# Altium PCB RobotCtrl_Func.PcbDoc
Units mil, origin at the board's own origin, x right, y up, seen from the top; angles counter-clockwise.
Board outline 3937.01 x 3937.01 mil, 4 copper layers (Top Layer, GND, PWR, Bottom Layer), stack 23.756 mil thick; 104 components, 160 nets, 463 pads, 157 vias.
Unrouted connection lines stored in the file: 6.
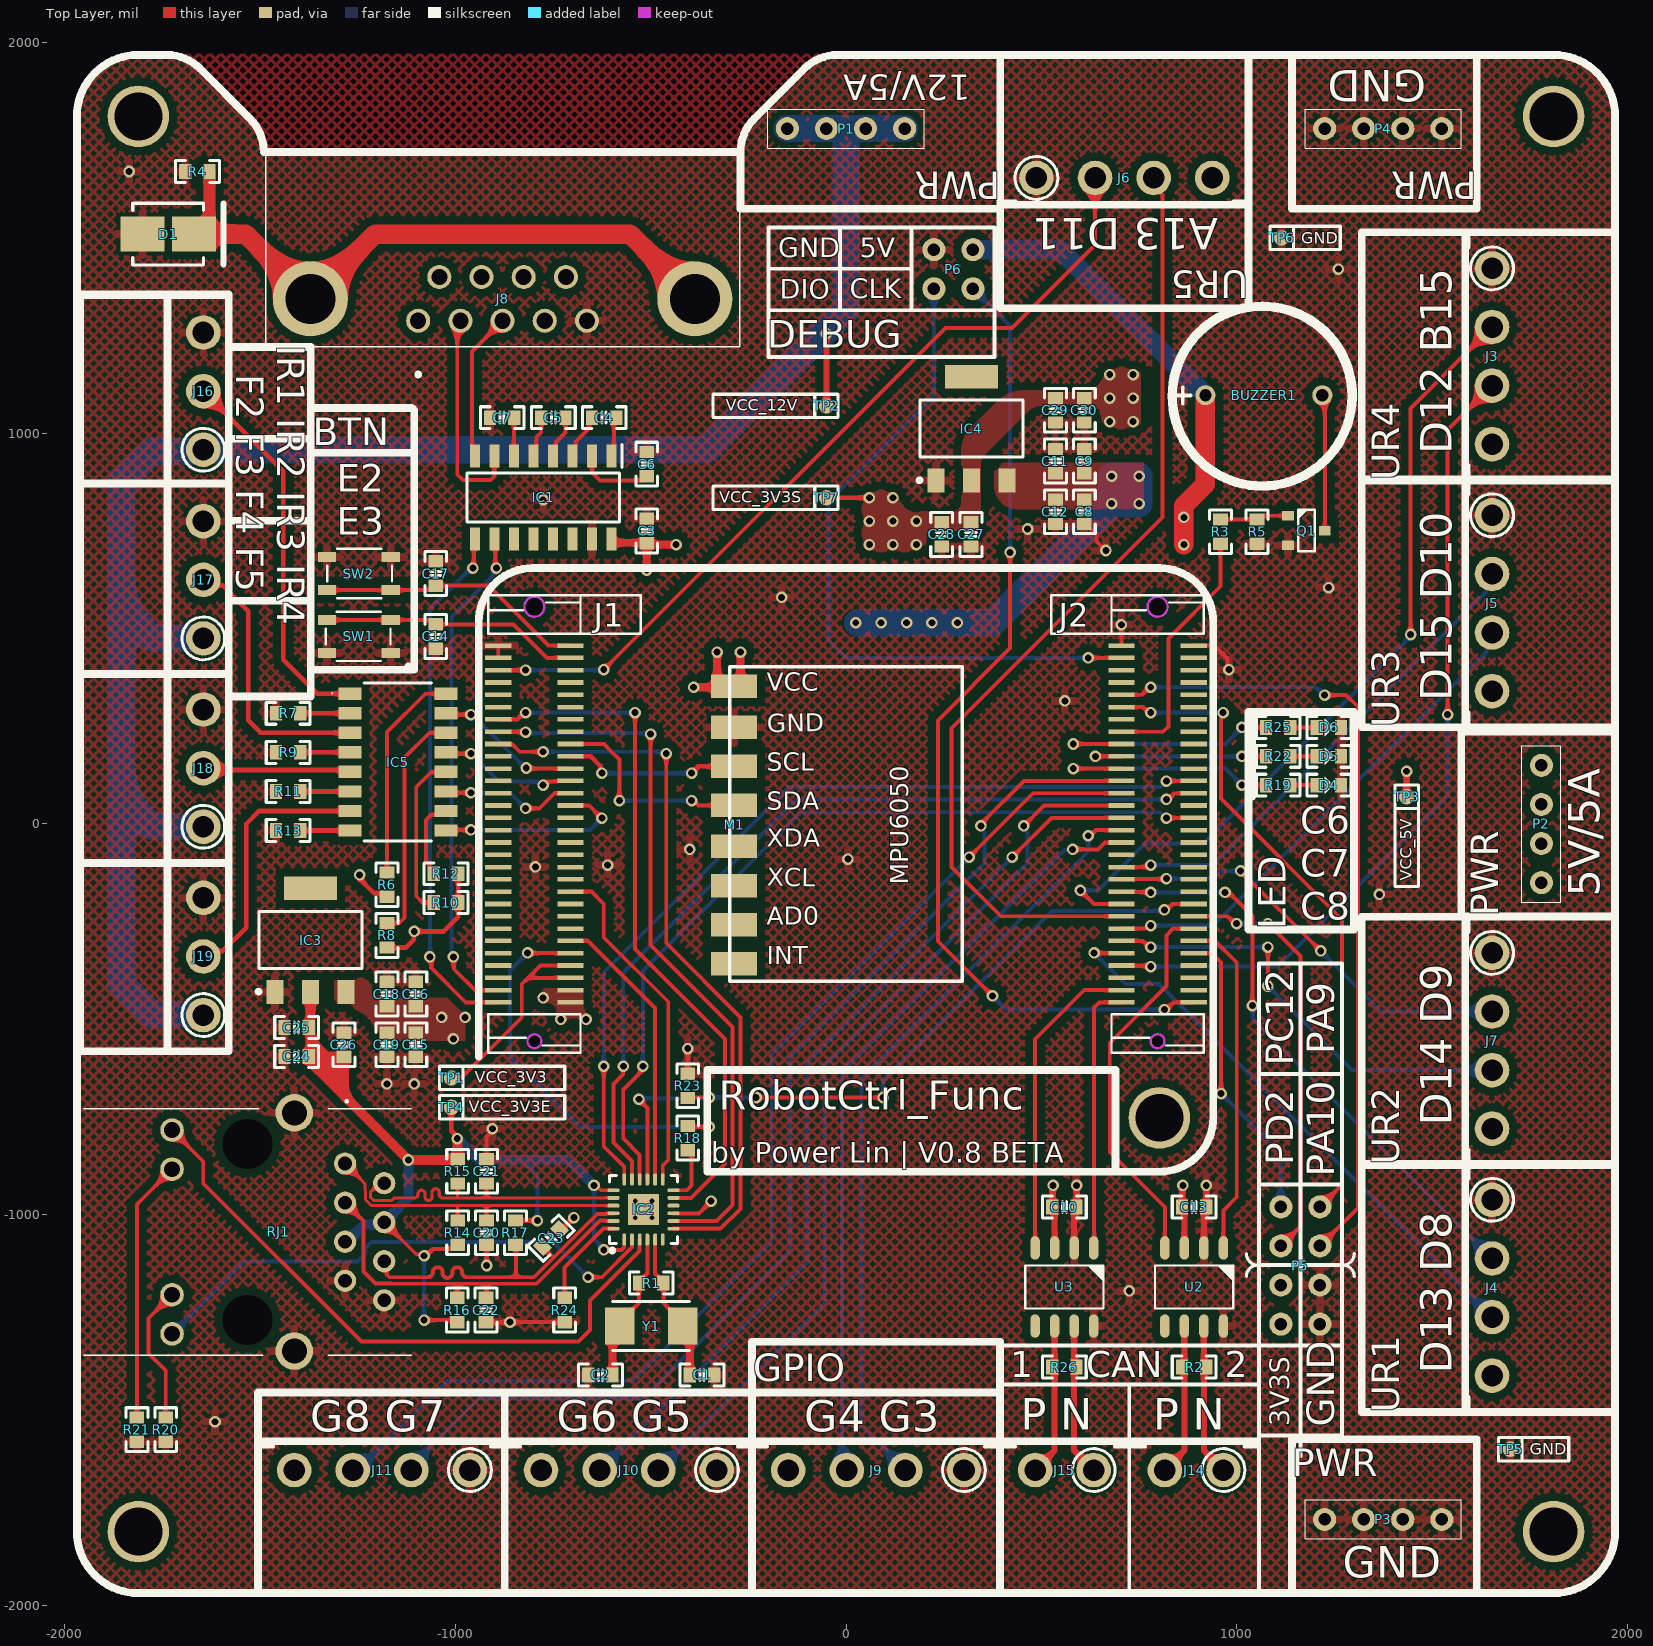
[diagram p0: Top Layer view]
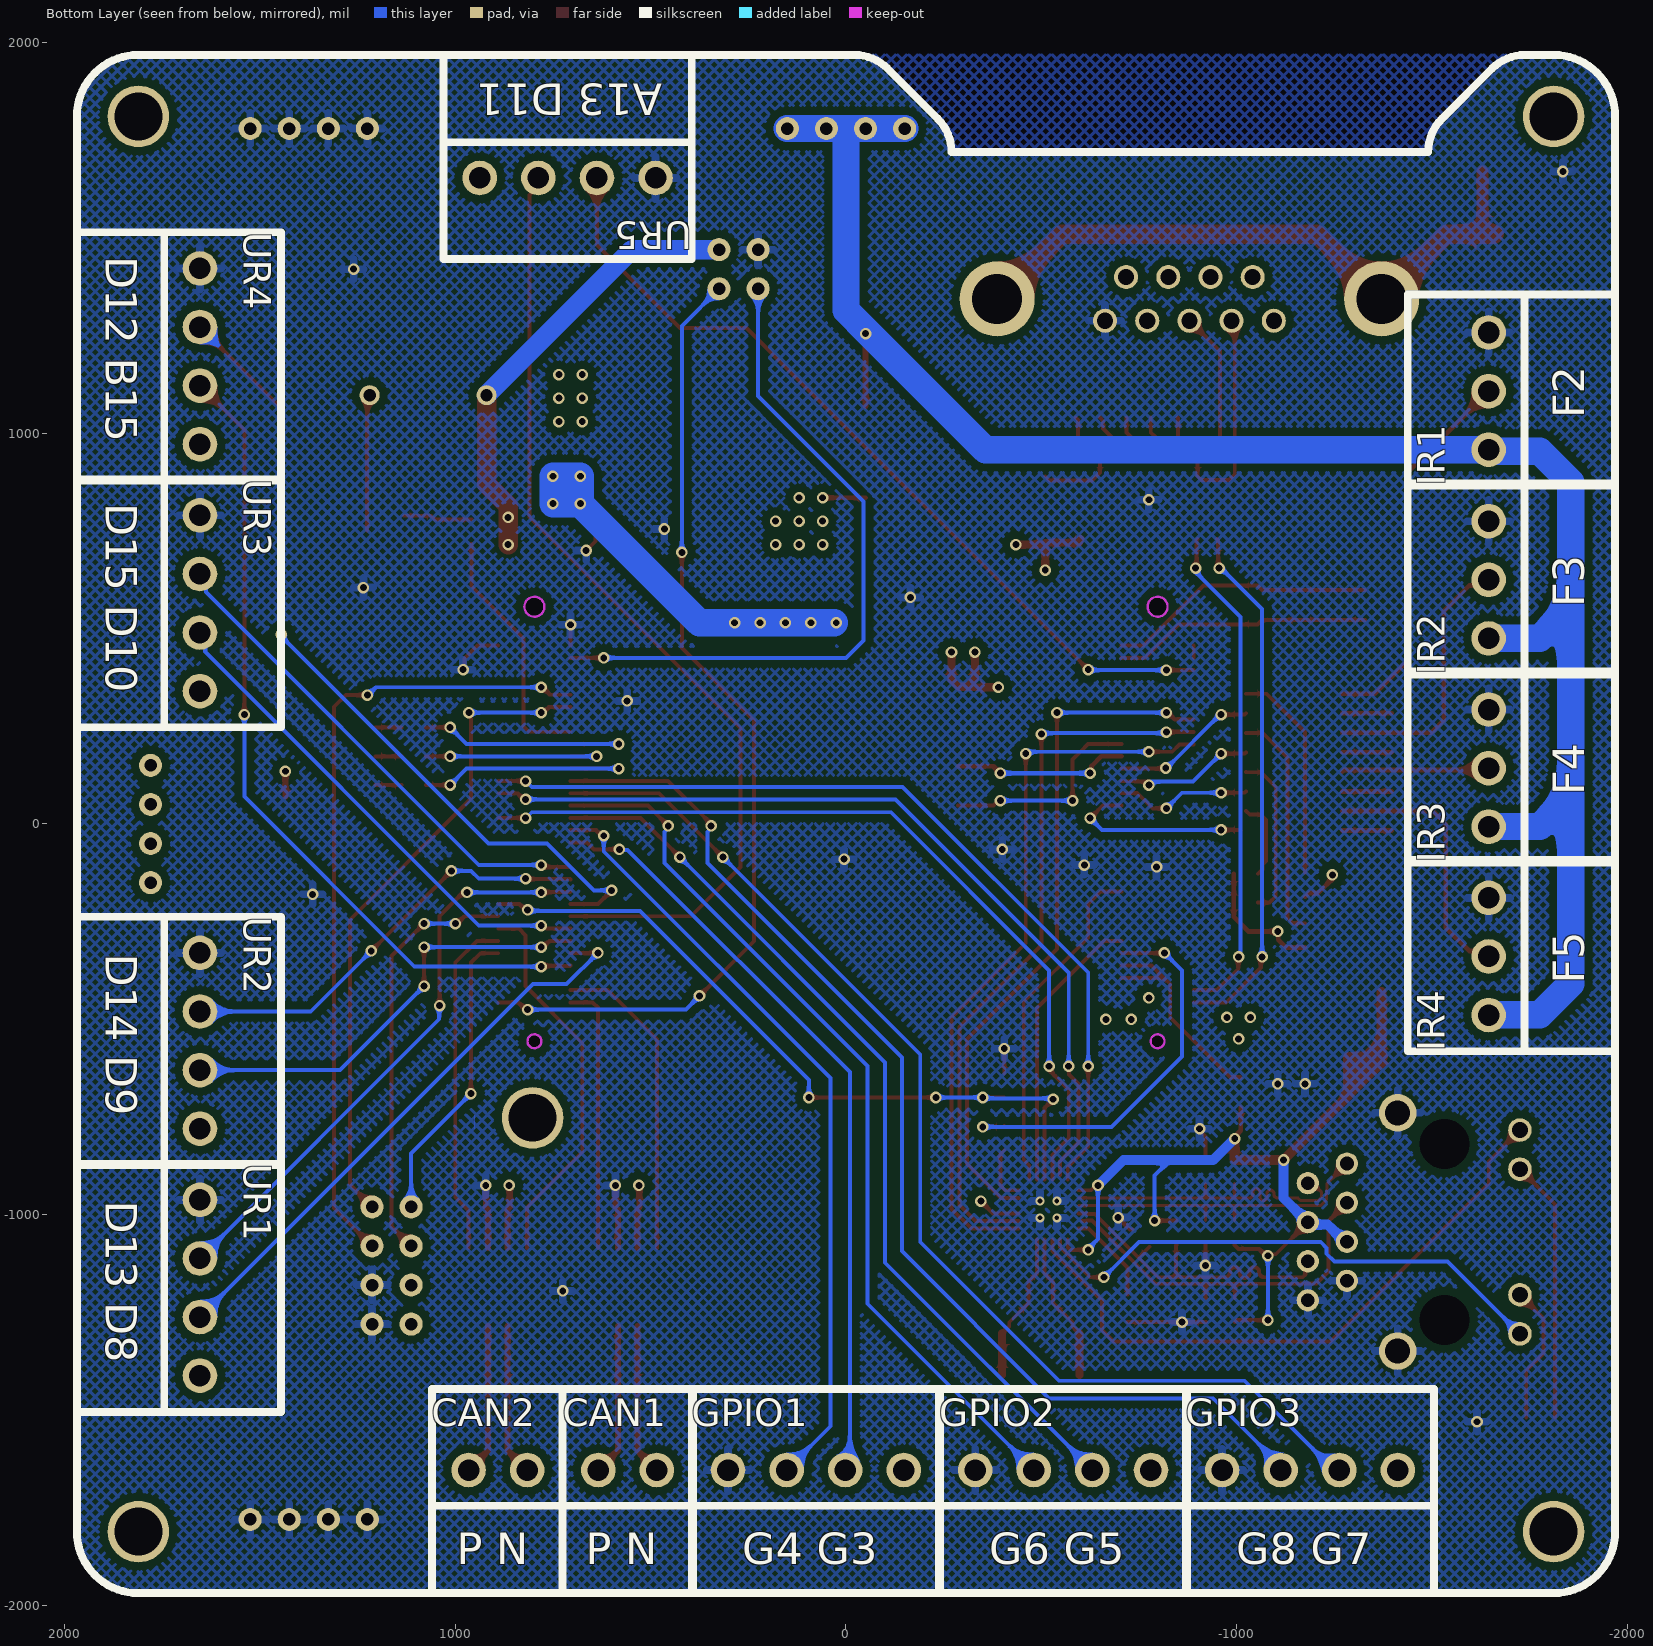
[diagram p1: Bottom Layer view, seen from below]
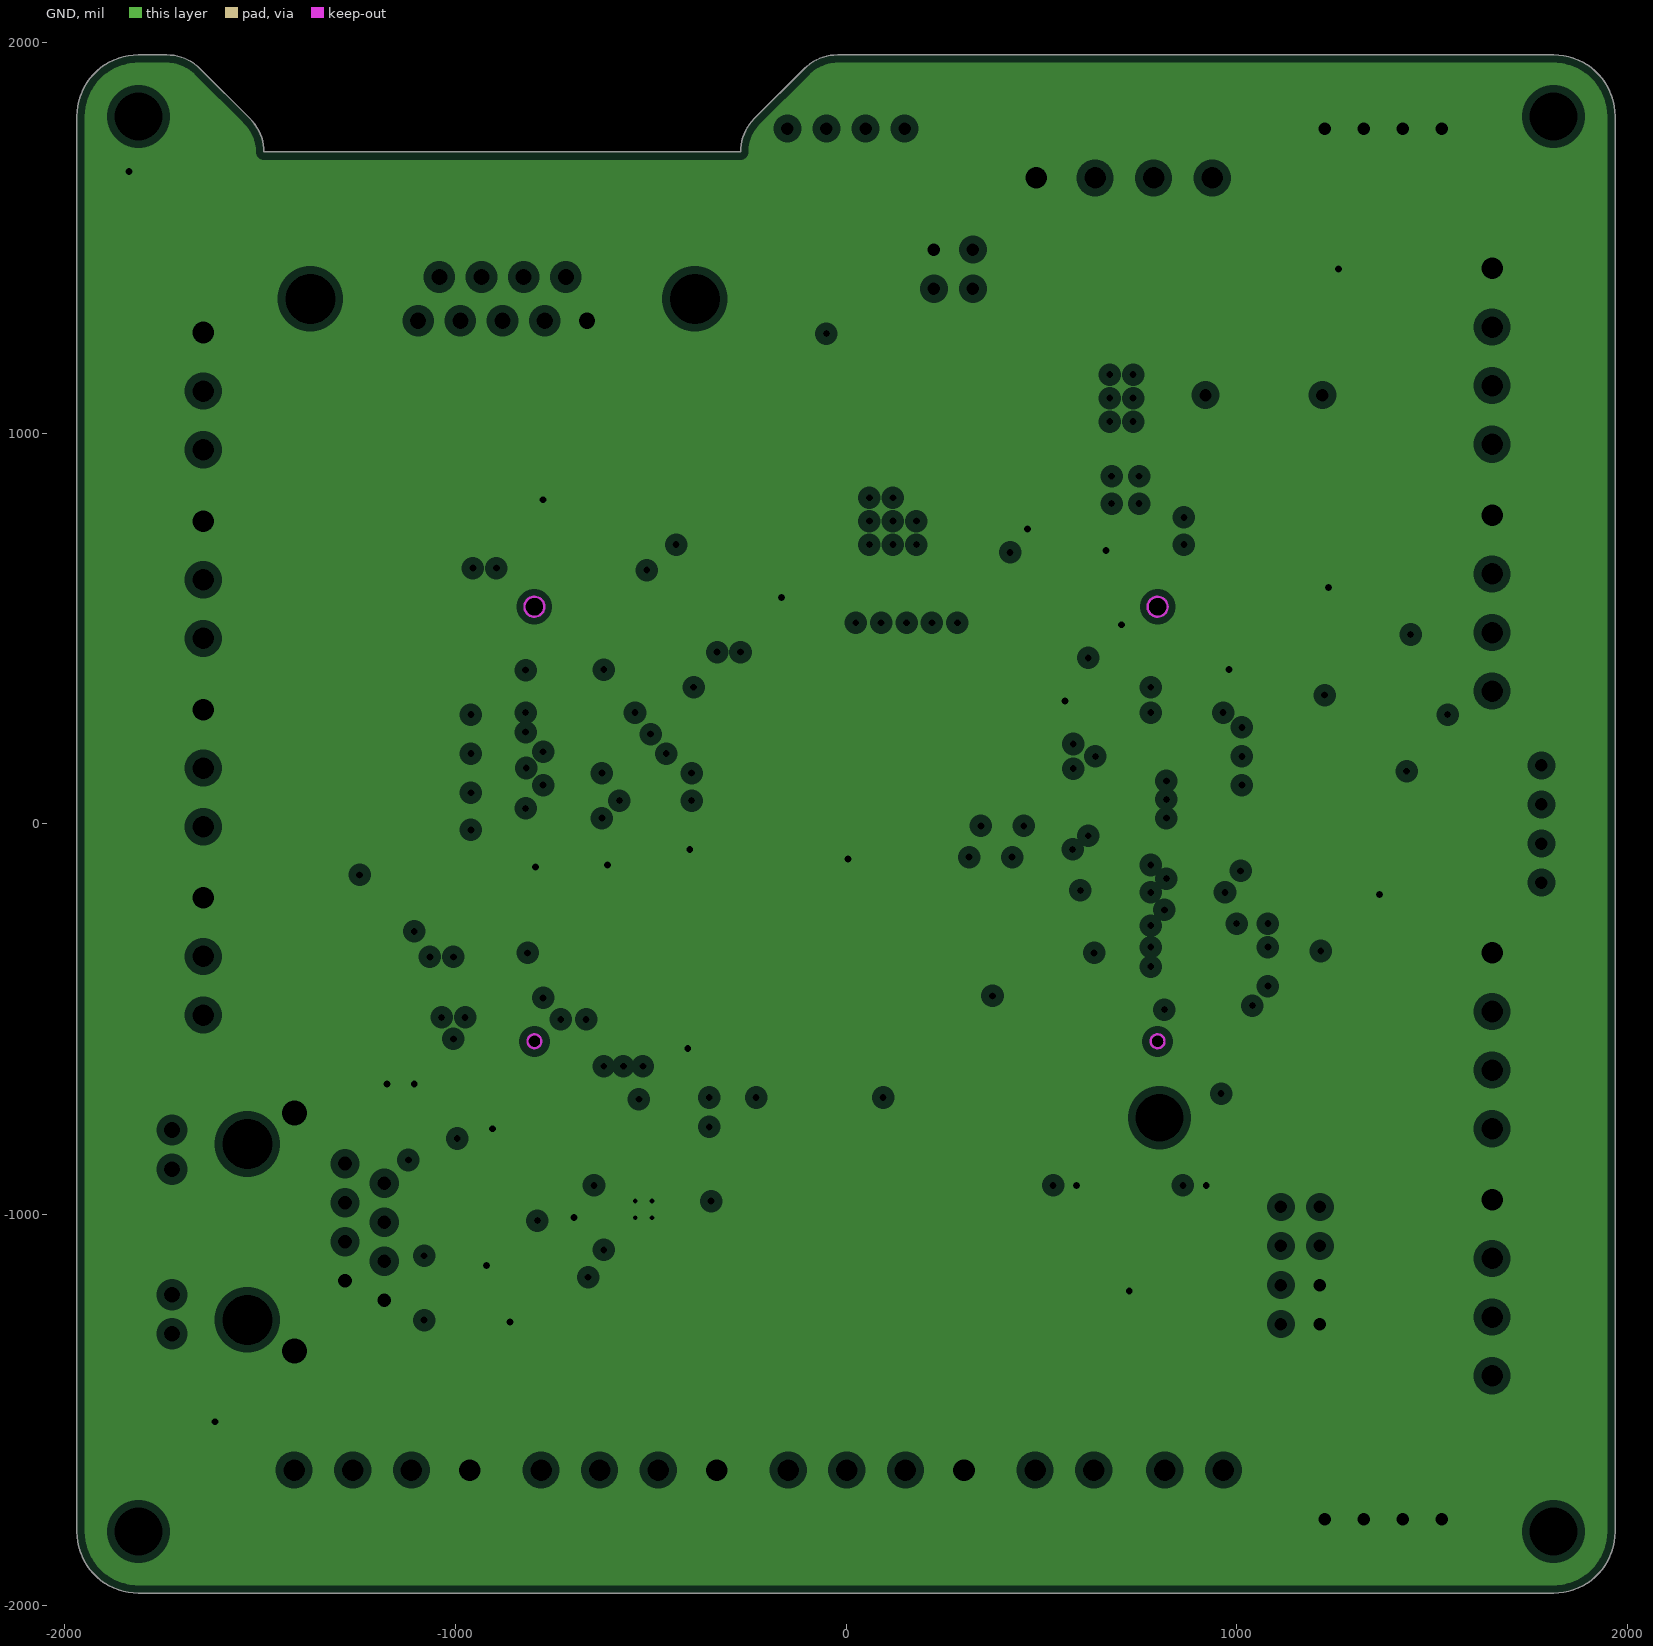
[diagram p2: GND, clearances drawn from the general rule]
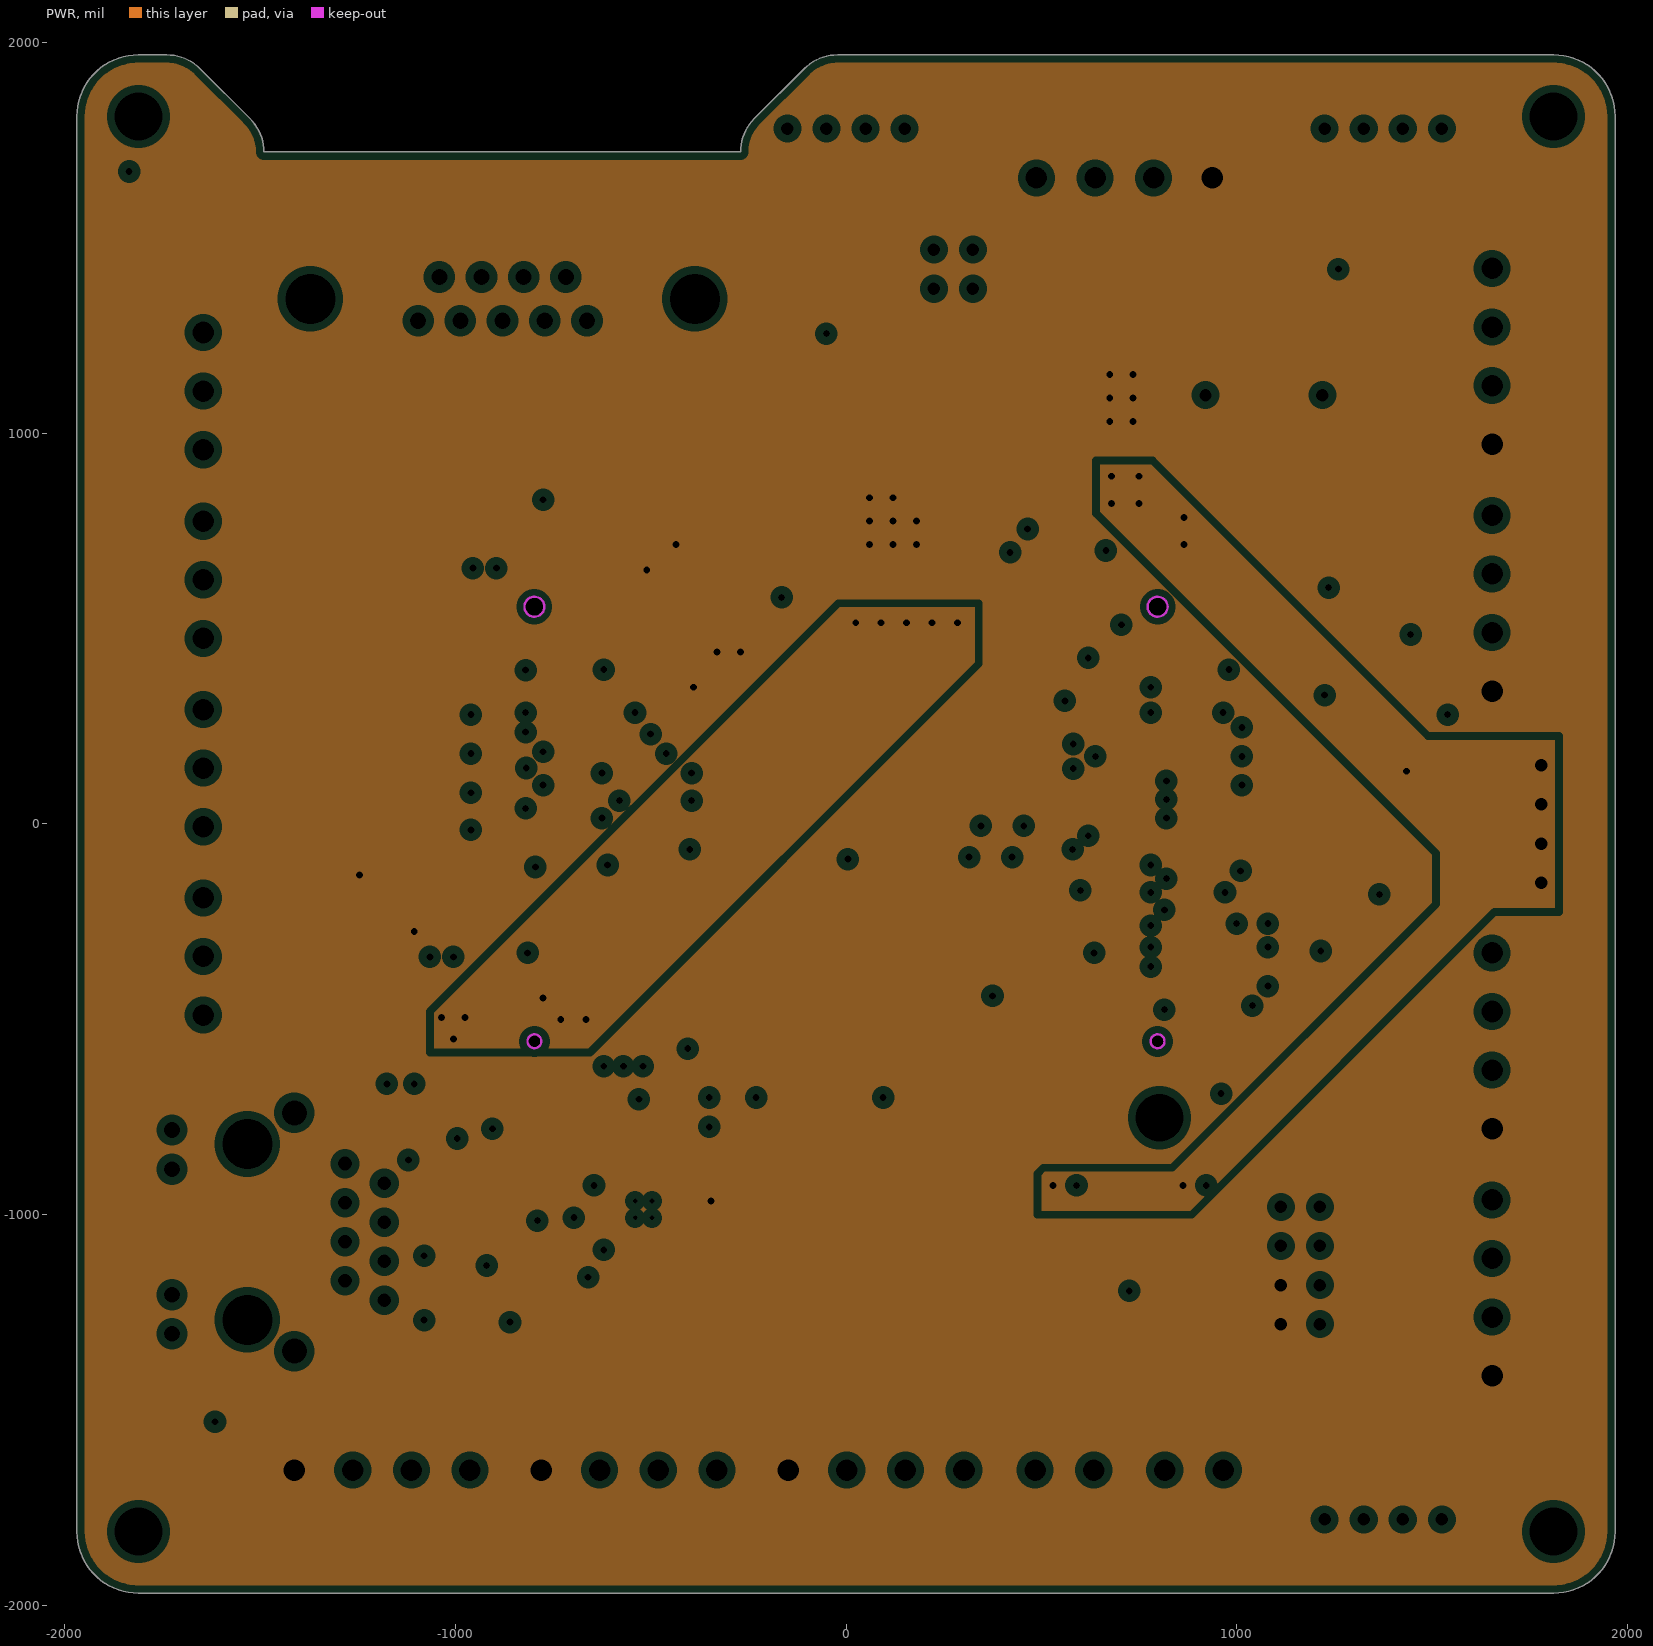
[diagram p3: PWR, clearances drawn from the general rule]

## Layer stack, top to bottom
Top Solder: solder mask 0.4, Solder Resist, Dk 3.5
Top Layer: signal copper 1.4
Dielectric 2: prepreg 2.8, PP-006, Dk 4.1
GND: plane copper 1.378, net GND
Dielectric 1: dielectric 12.6, FR-4, Dk 4.8
PWR: plane copper 1.378, net (Multiple Nets)
Dielectric 3: prepreg 2.8, PP-006, Dk 4.1
Bottom Layer: signal copper 1.4
Bottom Solder: solder mask 0.4, Solder Resist, Dk 3.5

## Board outline
-1811.02,-1968.5 cw(c-1811.02,-1811.02) -1968.5,-1811.02 -1968.5,1811.02 cw(c-1811.02,1811.02) -1811.02,1968.5 -1738.5,1968.5 cw(c-1738.5,1847.79) -1653.15,1933.15 -1525.36,1805.36 cw(c-1610.71,1720) -1490,1720 -270,1720 cw(c-149.29,1720) -234.64,1805.36 -106.85,1933.15 cw(c-21.5,1847.79) -21.5,1968.5 1811.02,1968.5 cw(c1811.02,1811.02) 1968.5,1811.02 1968.5,-1811.02 cw(c1811.02,-1811.02) 1811.02,-1968.5

## Design rules (kind name [scope] priority, off if disabled: settings)
Clearance [All] p1: gap=20 ignorepadtopadclearanceinfootprint=FALSE except(0: Arc-Arc Arc-Track Arc-SMDPad Arc-Hole Track-Track Track-SMDPad Track-Hole SMDPad-SMDPad SMDPad-Hole THPad-Hole Via-Hole Fill-Hole Poly-Hole Region-Hole Text-Hole; 10: Arc-THPad Arc-Via Arc-Text Track-THPad Track-Via Track-Text SMDPad-THPad SMDPad-Via SMDPad-Text THPad-THPad THPad-Via THPad-Text Via-Via Via-Text Fill-Text Poly-Text Region-Text Text-Text)
DiffPairsRouting [All] p1: maxlimit=10 minlimit=5 mostfreqgap=10 toplayer_minwidth=8 toplayer_maxwidth=15 toplayer_prefwidth=15 bottomlayer_minwidth=8 bottomlayer_maxwidth=15 bottomlayer_prefwidth=15 maxuncoupledlength=500
PlaneClearance [All] p1: clearance=20
PlaneConnect [All] p1: planeconnectstyle=Relief reliefexpansion=20 reliefentries=4 reliefconductorwidth=30 reliefairgap=10
PolygonConnect [All] p1: connectstyle=Relief reliefconductorwidth=20 reliefentries=4 polygonreliefangle="90 Angle" airgapwidth=10
RoutingVias [All] p1: holewidth=17.72 width=29.53 viastyle="Through Hole" minholewidth=17.72 minwidth=29.53 maxholewidth=17.72 maxwidth=29.53
SilkToSilkClearance [All] p1: silktosilkclearance=0
SilkToSolderMaskClearance [IsPad] p1: minsilkscreentomaskgap=0 clearancetoexposedcopper=TRUE
SolderMaskExpansion [All] p1: expansion=4 istentingtop=FALSE
Width [All] p1: maxlimit=150 minlimit=10 preferedwidth=10
25 further rules are at their usual default settings.

## Classes and differential pairs
differential pair TD: +TD_P -TD_N
differential pair RD: +RD_P -RD_N
differential pair CAN2: +CAN2_P -CAN2_N
differential pair CAN1: +CAN1_P -CAN1_N

## Components (designator, comment, footprint, x,y, rotation, side; value= is the part's Value field where it differs from the comment)
BUZZER1 "YS-MBZ12095DYB05" DIP,P=7.6MM 1069.61,1097.57 r0 top
C1 "22pF" CAP-0603 -368.54,-1410 r180 top
C2 "22pF" CAP-0603 -628.54,-1410 r0 top
C3 "100nF" CAP-0603 -510,750 r270 top
C4 "100nF" CAP-0603 -618.9,1040 r0 top
C5 "100nF" CAP-0603 -748.9,1040 r0 top
C6 "100nF" CAP-0603 -510,921.1 r270 top
C7 "100nF" CAP-0603 -880,1040 r0 top
C8 "10uF" CAP-0603 610,799.01 r90 top
C9 "10uF" CAP-0603 610,928.9 r270 top
C10 "100nF" CAP-0603 559,-980.5 r180 top
C11 "100nF" CAP-0603 536.12,928.9 r270 top
C12 "100nF" CAP-0603 536.12,799.01 r90 top
C13 "100nF" CAP-0603 891,-980.5 r180 top
C14 "100nF" CAP-0603 -1050,480 r90 top
C15 "10uF" CAP-0603 -1101.12,-565 r90 top
C16 "10uF" CAP-0603 -1101.12,-435.12 r270 top
C17 "100nF" CAP-0603 -1050,641.1 r270 top
C18 "100nF" CAP-0603 -1175,-435.12 r270 top
C19 "100nF" CAP-0603 -1175,-565 r90 top
C20 "10pF" CAP-0603 -920,-1046.1 r90 top
C21 "10pF" CAP-0603 -920,-888.9 r270 top
C22 "10pF" CAP-0603 -921.12,-1243.9 r90 top
C23 "10pF" CAP-0603 -755,-1060 r225 top
C24 "22nF" CAP-0603 -1406.1,-595 r0 top
C25 "100nF" CAP-0603 -1406.1,-521.12 r0 top
C26 "10uF" CAP-0603 -1285,-565 r270 top
C27 "100nF" CAP-0603 320,741.1 r90 top
C28 "100nF" CAP-0603 245,741.1 r90 top
C29 "10uF" CAP-0603 536.12,1058.78 r90 top
C30 "10uF" CAP-0603 610,1058.78 r90 top
D1 "SMBJ12CA" DO-214AA/SMB -1735,1510 r180 top
D4 "BLUE" LED-0603 1235.99,99.34 r0 top
D5 "BLUE" LED-0603 1235.99,173.23 r0 top
D6 "BLUE" LED-0603 1235.99,247.11 r0 top
IC1 "SP3232EEN-L/TR" SOIC-16_150mil -775,835.9 r270 top
IC2 "LAN8720A-CP-TR" QFN-24-4x4 -518.23,-986.55 r90 top
IC3 "AMS1117-3.3" SOT-223 -1346.55,-304.13 r0 top
IC4 "AMS1117-3.3" SOT-223 345,1005 r0 top
IC5 "LTV-247" LTV247 -1146.97,158.36 r270 top
J1 "3710F060037G0FR01" 3710M060037G3FT01 -890,-456.69 r180 top locked
J2 "3710F060037G0FR01" 3710M060037G3FT01 704.96,-456.69 r180 top locked
J3 "KF2EDGR-3.81-4P" "FCI 06-381-4PIN" 1783.54,1197 r270 top
J4 "KF2EDGR-3.81-4P" "FCI 06-381-4PIN" 1783.54,-1187 r270 top
J5 "KF2EDGR-3.81-4P" "FCI 06-381-4PIN" 1783.54,565 r270 top
J6 "KF2EDGR-3.81-4P" "FCI 06-381-4PIN" 712.4,1783.54 r0 top
J7 "KF2EDGR-3.81-4P" "FCI 06-381-4PIN" 1783.54,-554.92 r270 top
J8 "D-DMR009PF-D002" "Through Hole,P=2.77mm" -1095,1288.03 r180 top
J9 "KF2EDGR-3.81-4P" "FCI 06-381-4PIN" 77,-1783.5 r180 top
J10 "KF2EDGR-3.81-4P" "FCI 06-381-4PIN" -555.59,-1783.5 r180 top
J11 "KF2EDGR-3.81-4P" "FCI 06-381-4PIN" -1187.5,-1783.5 r180 top
J14 "KF2EDGR-3.81-2P" "FCI 06-381-2PIN" 891,-1653.5 r180 top
J15 "KF2EDGR-3.81-2P" "FCI 06-381-2PIN" 559,-1653.5 r180 top
J16 "KF2EDGR-3.81-3P" "FCI 06-381-3PIN" -1775,1108 r90 top
J17 "KF2EDGR-3.81-3P" "FCI 06-381-3PIN" -1775,625 r90 top
J18 "KF2EDGR-3.81-3P" "FCI 06-381-3PIN" -1775,143 r90 top
J19 "KF2EDGR-3.81-3P" "FCI 06-381-3PIN" -1775,-339 r90 top
M1 "MPU6050_Module" MPU6050_MODULE_SMD 0,0 r0 top locked
P1 "HDR1x4_2.54" HDR1X4_2.54 150,1780 r270 top locked
P2 "HDR1x4_2.54" HDR1X4_2.54 1780,150 r0 top locked
P3 "HDR1x4_2.54" HDR1X4_2.54 1525,-1780 r270 top locked
P4 "HDR1x4_2.54" HDR1X4_2.54 1525,1780 r270 top locked
P5 "HDR2x4_2.54" HDR2X4_2.54_180 1213,-1280 r180 top
P6 "HDR2x2_2.54" HDR2X2_2.54_180 225,1470 r0 top
Q1 "S9013" SOT-23-3 1178.5,751 r180 top
R1 "1M" R-0603 -498.54,-1175 r0 top
R2 "120R" R-0603 891,-1390 r180 top
R3 "1k" R-0603 958.5,748.15 r90 top
R4 "10k" R-0603 -1660,1670 r0 top
R5 "10k" R-0603 1052,748.15 r90 top
R6 "470R" R-0603 -1175,-155.29 r90 top
R7 "470R" R-0603 -1427.86,283.36 r180 top
R8 "470R" R-0603 -1175,-285.17 r90 top
R9 "470R" R-0603 -1427.86,183.36 r180 top
R10 "470R" R-0603 -1023.9,-201.17 r180 top
R11 "470R" R-0603 -1427.86,83.36 r180 top
R12 "470R" R-0603 -1023.9,-127.29 r180 top
R13 "470R" R-0603 -1427.86,-16.64 r180 top
R14 "49.9R" R-0603 -993.88,-1046.1 r270 top
R15 "49.9R" R-0603 -993.88,-888.9 r90 top
R16 "49.9R" R-0603 -995,-1243.9 r270 top
R17 "49.9R" R-0603 -846.12,-1046.1 r90 top
R18 "510R" R-0603 -405,-803.9 r90 top
R19 "4.7k" R-0603 1106.1,99.34 r180 top
R20 "510R" R-0603 -1741.12,-1550 r90 top
R21 "510R" R-0603 -1815,-1550 r90 top
R22 "4.7k" R-0603 1106.1,173.23 r180 top
R23 "10k" R-0603 -405,-670 r90 top
R24 "12k" R-0603 -720,-1243.9 r270 top
R25 "4.7k" R-0603 1106.1,247.11 r180 top
R26 "120R" R-0603 559,-1390 r180 top
RJ1 "HR911105A" HR911105A -1282.09,-869.17 r90 top locked
SW1 "KEY" KEY-4P-4.2*3.4*2.5 -1246.69,480 r0 top
SW2 "KEY" KEY-4P-4.2*3.4*2.5 -1246.69,641.1 r180 top
TP1 "TestPoint" TestPoint -1010,-650 r90 top
TP2 "TestPoint" TestPoint -50,1070 r90 top
TP3 "TestPoint" TestPoint 1435,70 r90 top
TP4 "TestPoint" TestPoint -1010,-725 r90 top
TP5 "TestPoint" TestPoint 1700,-1600 r90 top
TP6 "TestPoint" TestPoint 1115,1500 r90 top
TP7 "TestPoint" TestPoint -50,835 r90 top
U2 "TJA1050" SOIC_8 891,-1185.02 r180 top
U3 "TJA1050" SOIC_8 559,-1185.02 r180 top
Y1 "25MHz±20ppm 20pF" SMD5032-2P -498.54,-1285 r180 top

## Footprints (in the part's own frame and the unit in brackets; to place one, negate y for a bottom-side part, rotate by r counter-clockwise, add the part's x,y. Pads: shape width x height; smd on the part's side, far side on the other; paste and mask are expansions set on the pad)
3710M060037G3FT01 [mm]
  rect 1.7x0.3 smd: 1(-4.7,0) 2(-4.7,-0.8) 3(-4.7,-1.6) 4(-4.7,-2.4) 5(-4.7,-3.2) 6(-4.7,-4) 7(-4.7,-4.8) 8(-4.7,-5.6) 9(-4.7,-6.4) 10(-4.7,-7.2) 11(-4.7,-8) 12(-4.7,-8.8) 13(-4.7,-9.6) 14(-4.7,-10.4) 15(-4.7,-11.2) 16(-4.7,-12) 17(-4.7,-12.8) 18(-4.7,-13.6) 19(-4.7,-14.4) 20(-4.7,-15.2) 21(-4.7,-16) 22(-4.7,-16.8) 23(-4.7,-17.6) 24(-4.7,-18.4) 25(-4.7,-19.2) 26(-4.7,-20) 27(-4.7,-20.8) 28(-4.7,-21.6) 29(-4.7,-22.4) 30(-4.7,-23.2) 31(0,-23.2) 32(0,-22.4) 33(0,-21.6) 34(0,-20.8) 35(0,-20) 36(0,-19.2) 37(0,-18.4) 38(0,-17.6) 39(0,-16.8) 40(0,-16) 41(0,-15.2) 42(0,-14.4) 43(0,-13.6) 44(0,-12.8) 45(0,-12) 46(0,-11.2) 47(0,-10.4) 48(0,-9.6) 49(0,-8.8) 50(0,-8) 51(0,-7.2) 52(0,-6.4) 53(0,-5.6) 54(0,-4.8) 55(0,-4) 56(0,-3.2) 57(0,-2.4) 58(0,-1.6) 59(0,-0.8) 60(0,0)
  Keep-Out Layer circle w0.152: c-2.35,2.525 r0.45
  Keep-Out Layer circle w0.152: c-2.35,-25.725 r0.65
  silkscreen extent -5.35,-26.47 0.65,3.27
CAP-0603 [mm]
  rect 0.8x0.96 smd: 1(-0.79,0) 2(0.79,0)
  silkscreen extent -1.42,-0.71 1.42,0.71, body extent -0.76,-0.39 0.76,0.39, height 0.9
DIP,P=7.6MM [mm]
  round 1.3 hole 0.8: 1(-3.8,0) 2(3.8,0)
  silkscreen extent -6,-6 6,6, body extent -6,-6 6,6, height 9.9
DO-214AA/SMB [mm]
  rect 2.85x2.25 smd: 1(1.675,0) 2(-1.675,0)
  silkscreen extent -3.6,-2 2.3,2, body extent -2.5,-1.97 2.5,1.97, height 2.44
"FCI 06-381-2PIN" [mm] "FCI Pluggable Terminal Block"
  round 2.25 hole 1.4: 1(-1.905,0) 2(1.905,0)
  silkscreen extent -4.22,-1.52 4.22,7.87, body extent -4.4,-1.4 4.4,7.8, height 7.6
"FCI 06-381-3PIN" [mm] "FCI Pluggable Terminal Block"
  round 2.25 hole 1.4: 1(-3.81,-3.302) 2(0,-3.302) 3(3.81,-3.302)
  silkscreen extent -6.12,-4.83 6.12,4.57, body extent -6.31,-4.7 6.31,4.5, height 7.6
"FCI 06-381-4PIN" [mm] "FCI Pluggable Terminal Block"
  round 2.25 hole 1.4: 1(-5.715,-3.302) 2(-1.905,-3.302) 3(1.905,-3.302) 4(5.715,-3.302)
  silkscreen extent -8.03,-4.83 8.03,4.57, body extent -8.21,-4.7 8.22,4.5, height 7.6
HDR1X4_2.54 [mm]
  round 1.5 hole 0.813: 1(0,0) 2(0,-2.54) 3(0,-5.08) 4(0,-7.62)
  silkscreen extent -1.27,-8.89 1.27,1.27
HDR2X2_2.54_180 [mm]
  round 1.5 hole 0.813: 1(0,0) 2(2.54,0) 3(0,-2.54) 4(2.54,-2.54)
  body extent -1.27,-3.81 3.81,1.27, height 8.5
HDR2X4_2.54_180 [mm]
  round 1.5 hole 0.813: 1(0,0) 2(2.54,0) 3(0,-2.54) 4(2.54,-2.54) 5(0,-5.08) 6(2.54,-5.08) 7(0,-7.62) 8(2.54,-7.62)
  body extent -1.27,-8.89 3.81,1.27, height 8.5
HR911105A [mm]
  round 1.446 hole 0.89: 1(0,0) 2(-1.27,-2.54) 3(-2.54,0) 4(-3.81,-2.54) 5(-5.08,0) 6(-6.35,-2.54) 7(-7.62,0) 8(-8.89,-2.54)
  round 1.53 hole 1.02: 9(2.18,11.25) 10(-0.36,11.25) 11(-8.53,11.25) 12(-11.07,11.25)
  round 2.445 hole 1.63: MH1(3.3,3.3) MH2(-12.19,3.3)
  round 1.625 hole 3.25 unplated: MH3(1.27,6.35) MH4(-10.16,6.35)
  silkscreen extent -12.46,-4.3 4.1,17, body extent -12.39,-4.08 3.49,17.32, height 13.53
KEY-4P-4.2*3.4*2.5 [mm] "SKRPABE010"
  rect 1.2x0.65 smd: 1(-2.075,1.075) 1(2.075,1.075) 2(-2.075,-1.075) 2(2.075,-1.075)
  silkscreen extent -2.15,-1.6 2.05,1.6, body extent -2.35,-1.6 2.25,1.6, height 2.5
LED-0603 [mm]
  rect 0.8x0.96 smd: 1(-0.79,0) 2(0.79,0)
  silkscreen extent -1.42,-0.71 1.42,0.71, body extent -0.81,-0.4 0.81,0.4, height 0.6
LTV247 [mm]
  rect 0.8x1.5 smd: 1(-4.445,-3.125) 2(-3.175,-3.125) 3(-1.905,-3.125) 4(-0.635,-3.125) 5(0.635,-3.125) 6(1.905,-3.125) 7(3.175,-3.125) 8(4.445,-3.125) 9(-4.445,3.125) 10(-3.175,3.125) 11(-1.905,3.125) 12(-0.635,3.125) 13(0.635,3.125) 14(1.905,3.125) 15(3.175,3.125) 16(4.445,3.125)
  silkscreen extent -5.14,-4.31 5.14,2.2, body extent -5.19,-3.4 5.19,3.4, height 2.2
MPU6050_MODULE_SMD [mil]
  rect 118.11x60 smd: 1(-286.56,352.5) 2(-286.56,247.5) 3(-286.56,147.5) 4(-286.56,47.5) 5(-286.56,-57.5) 6(-286.56,-157.5) 7(-286.56,-257.5) 8(-286.56,-357.5)
  silkscreen extent -298,-402 298,402, body extent -296,-401 297,402, height 79
QFN-24-4x4 [mm] "QFN, 24-Leads, Body 4.00x4.00mm, Pitch 0.50mm, Thermal Pad 2.70x2.60mm, IPC Medium Density"
  oval 0.8x0.25 smd: 1(-1.95,1.25) 2(-1.95,0.75) 3(-1.95,0.25) 4(-1.95,-0.25) 5(-1.95,-0.75) 6(-1.95,-1.25) 13(1.95,-1.25) 14(1.95,-0.75) 15(1.95,-0.25) 16(1.95,0.25) 17(1.95,0.75) 18(1.95,1.25)
  oval 0.25x0.8 smd: 7(-1.25,-1.95) 8(-0.75,-1.95) 9(-0.25,-1.95) 10(0.25,-1.95) 11(0.75,-1.95) 12(1.25,-1.95) 19(1.25,1.95) 20(0.75,1.95) 21(0.25,1.95) 22(-0.25,1.95) 23(-0.75,1.95) 24(-1.25,1.95)
  rect 2x2 smd: 25(0,0)
  silkscreen extent -2.79,-2.2 2.2,2.2, body extent -2.07,-2.07 2.07,2.07, height 0.9
R-0603 [mm]
  rect 0.8x0.96 smd: 1(-0.79,0) 2(0.79,0)
  silkscreen extent -1.42,-0.71 1.42,0.71, body extent -0.76,-0.38 0.76,0.38, height 0.41